# KiCad board SparkFun_Pro_Mini-ESP32_panelized.kicad_pcb (continued)
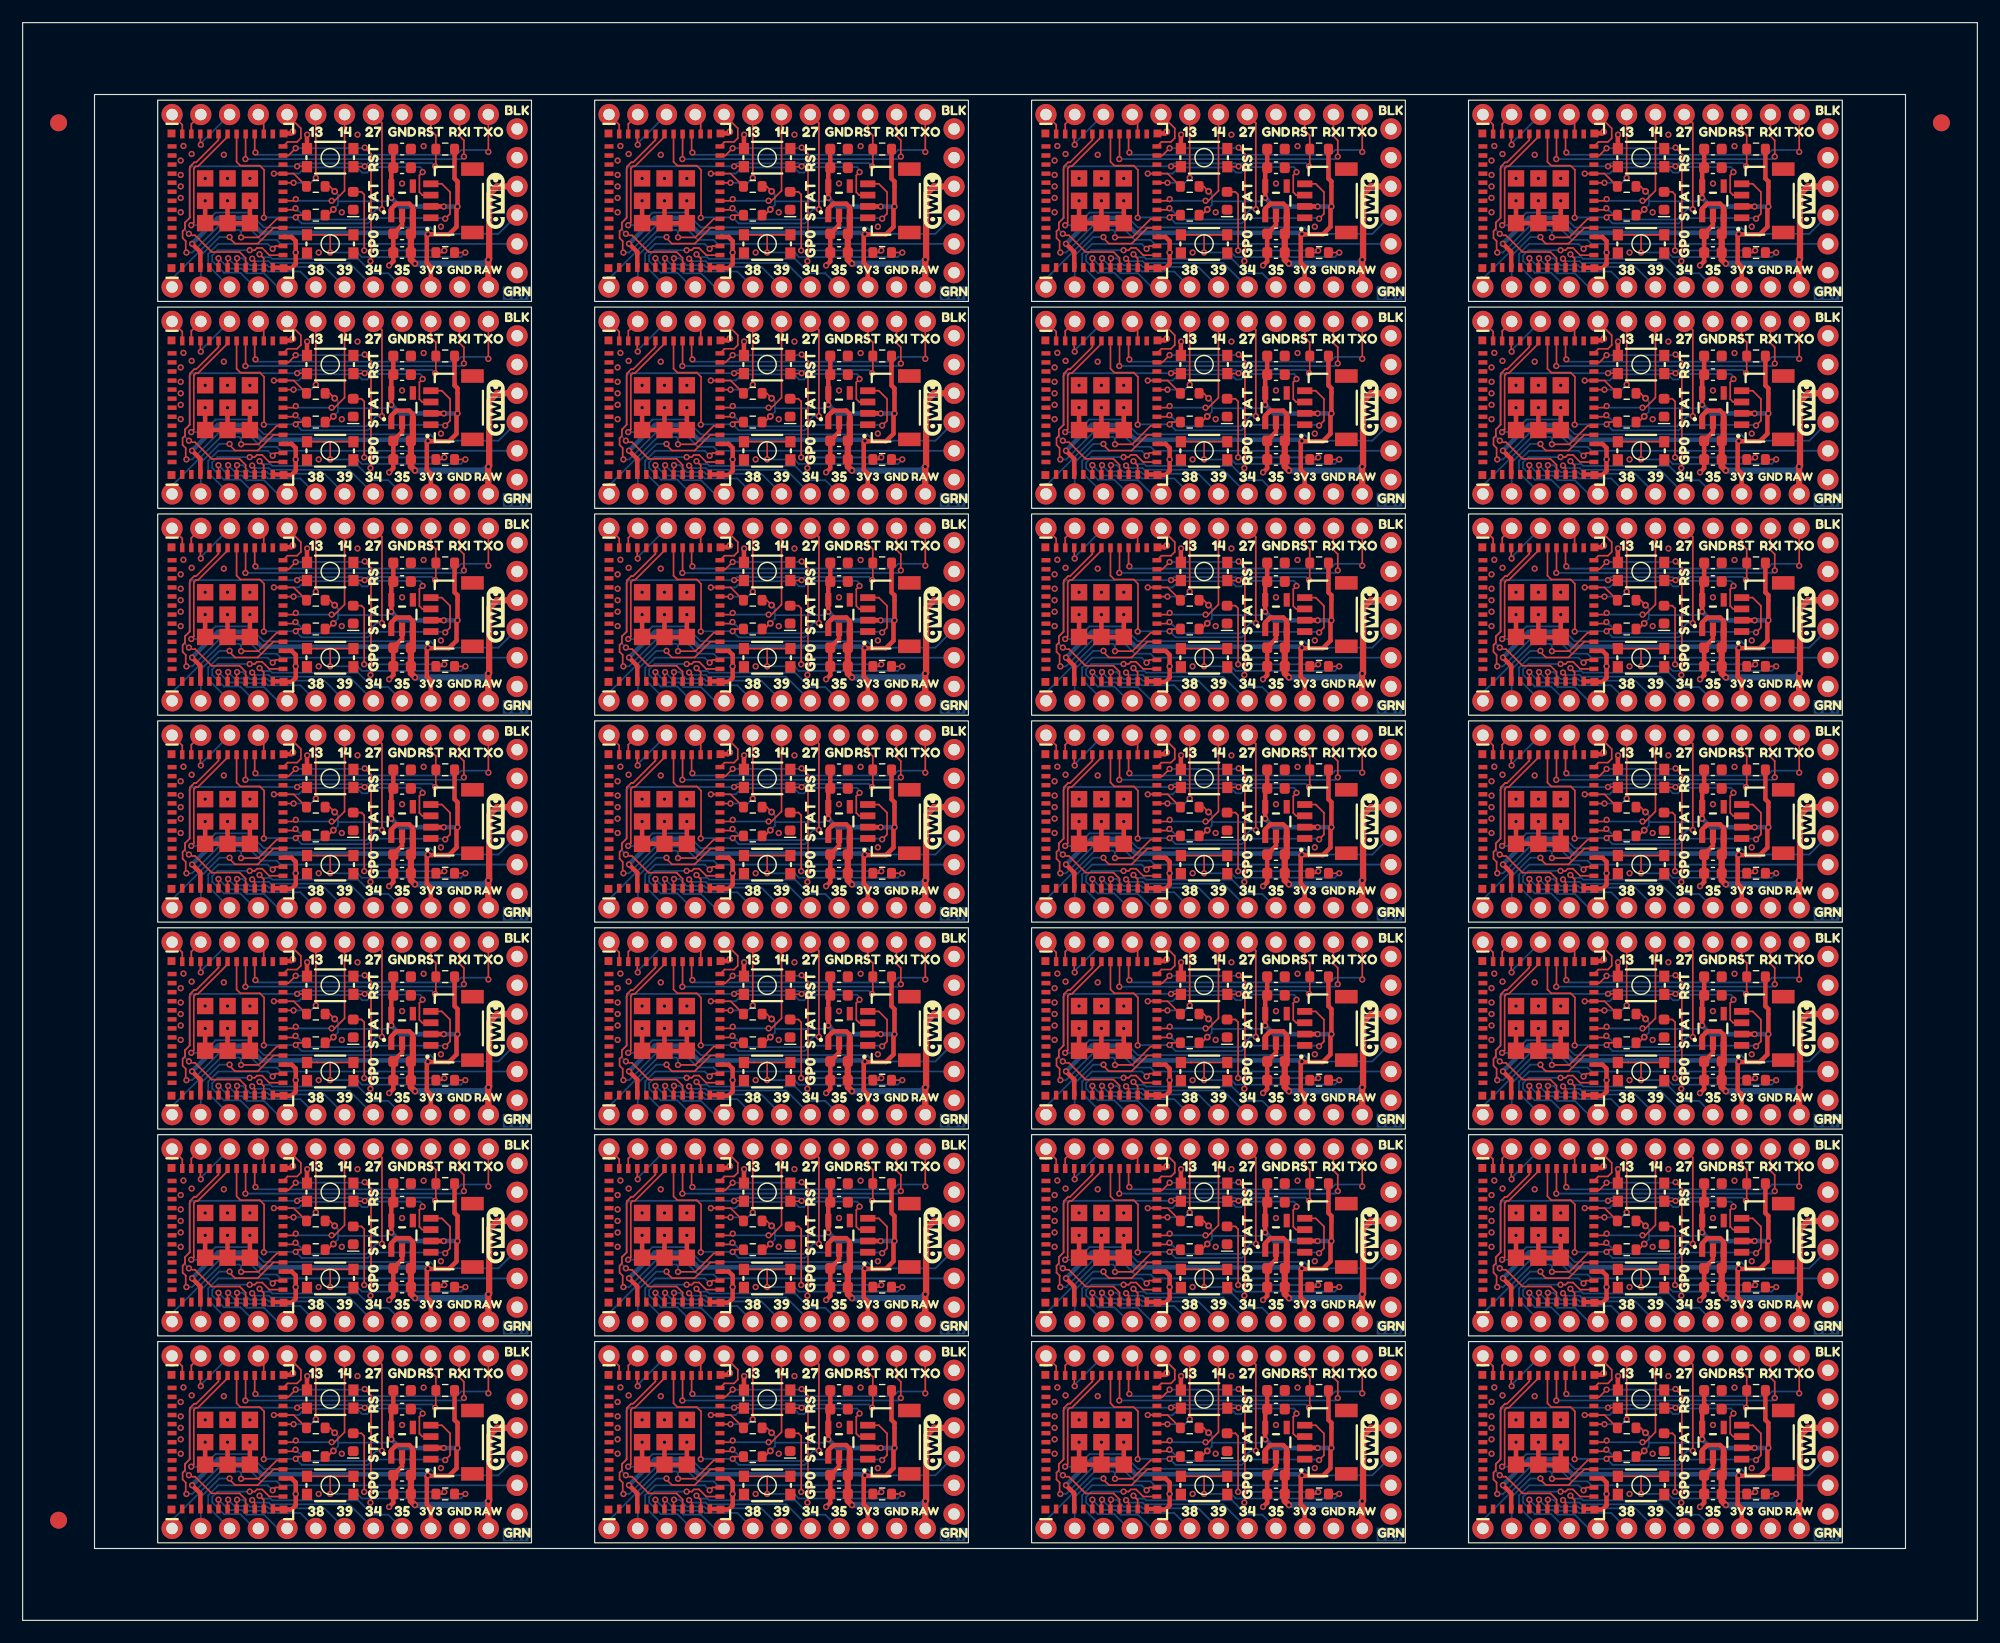
[diagram p0: board, top side]
## Placement (name value [footprint] x y rotation side) (continued)
kibuzzard-64DEDD67#20  G***  [kibuzzard-64DEDD67]  28.44 120.34 180 bottom
kibuzzard-64DEDD67#21  G***  [kibuzzard-64DEDD67]  105.64 28.94 180 bottom
kibuzzard-64DEDD67#22  G***  [kibuzzard-64DEDD67]  144.24 47.22 180 bottom
kibuzzard-64DEDD67#23  G***  [kibuzzard-64DEDD67]  67.04 28.94 180 bottom
kibuzzard-64DEDD67#24  G***  [kibuzzard-64DEDD67]  28.44 65.5 180 bottom
kibuzzard-64DEDD67#25  G***  [kibuzzard-64DEDD67]  144.24 28.94 180 bottom
kibuzzard-64DEDD67#26  G***  [kibuzzard-64DEDD67]  144.24 120.34 180 bottom
kibuzzard-64DEDD67#27  G***  [kibuzzard-64DEDD67]  67.04 83.78 180 bottom
kibuzzard-64DEDD67#28  G***  [kibuzzard-64DEDD67]  67.04 47.22 180 bottom
kibuzzard-64DEDE5E  G***  [kibuzzard-64DEDE5E]  67.04 87.84 180 bottom
kibuzzard-64DEDE5E#2  G***  [kibuzzard-64DEDE5E]  67.04 69.56 180 bottom
kibuzzard-64DEDE5E#3  G***  [kibuzzard-64DEDE5E]  105.64 124.4 180 bottom
kibuzzard-64DEDE5E#4  G***  [kibuzzard-64DEDE5E]  105.64 87.84 180 bottom
kibuzzard-64DEDE5E#5  G***  [kibuzzard-64DEDE5E]  144.24 124.4 180 bottom
kibuzzard-64DEDE5E#6  G***  [kibuzzard-64DEDE5E]  67.04 124.4 180 bottom
kibuzzard-64DEDE5E#7  G***  [kibuzzard-64DEDE5E]  67.04 33 180 bottom
kibuzzard-64DEDE5E#8  G***  [kibuzzard-64DEDE5E]  28.44 87.84 180 bottom
kibuzzard-64DEDE5E#9  G***  [kibuzzard-64DEDE5E]  105.64 14.72 180 bottom
kibuzzard-64DEDE5E#10  G***  [kibuzzard-64DEDE5E]  105.64 69.56 180 bottom
kibuzzard-64DEDE5E#11  G***  [kibuzzard-64DEDE5E]  105.64 33 180 bottom
kibuzzard-64DEDE5E#12  G***  [kibuzzard-64DEDE5E]  144.24 69.56 180 bottom
kibuzzard-64DEDE5E#13  G***  [kibuzzard-64DEDE5E]  105.64 51.28 180 bottom
kibuzzard-64DEDE5E#14  G***  [kibuzzard-64DEDE5E]  28.44 69.56 180 bottom
kibuzzard-64DEDE5E#15  G***  [kibuzzard-64DEDE5E]  144.24 106.12 180 bottom
kibuzzard-64DEDE5E#16  G***  [kibuzzard-64DEDE5E]  67.04 106.12 180 bottom
kibuzzard-64DEDE5E#17  G***  [kibuzzard-64DEDE5E]  144.24 14.72 180 bottom
kibuzzard-64DEDE5E#18  G***  [kibuzzard-64DEDE5E]  28.44 124.4 180 bottom
kibuzzard-64DEDE5E#19  G***  [kibuzzard-64DEDE5E]  144.24 33 180 bottom
kibuzzard-64DEDE5E#20  G***  [kibuzzard-64DEDE5E]  28.44 106.12 180 bottom
kibuzzard-64DEDE5E#21  G***  [kibuzzard-64DEDE5E]  67.04 51.28 180 bottom
kibuzzard-64DEDE5E#22  G***  [kibuzzard-64DEDE5E]  67.04 14.72 180 bottom
kibuzzard-64DEDE5E#23  G***  [kibuzzard-64DEDE5E]  144.24 51.28 180 bottom
kibuzzard-64DEDE5E#24  G***  [kibuzzard-64DEDE5E]  28.44 33 180 bottom
kibuzzard-64DEDE5E#25  G***  [kibuzzard-64DEDE5E]  105.64 106.12 180 bottom
kibuzzard-64DEDE5E#26  G***  [kibuzzard-64DEDE5E]  28.44 51.28 180 bottom
kibuzzard-64DEDE5E#27  G***  [kibuzzard-64DEDE5E]  28.44 14.72 180 bottom
kibuzzard-64DEDE5E#28  G***  [kibuzzard-64DEDE5E]  144.24 87.84 180 bottom
NOREF  -  [Fiducial_1.5mm_Mask3mm]  3.17 8.85 0 top
NOREF#2  -  [Fiducial_1.5mm_Mask3mm]  169.5 132.31 0 top
NOREF#3  -  [Fiducial_1.5mm_Mask3mm]  3.17 132.31 0 top
NOREF#4  -  [Fiducial_1.5mm_Mask3mm]  3.17 132.31 0 bottom
NOREF#5  -  [Fiducial_1.5mm_Mask3mm]  169.5 132.31 0 bottom
NOREF#6  -  [Fiducial_1.5mm_Mask3mm]  3.17 8.85 0 bottom
R1  10k  [R_0603_1608Metric]  153.13 111.71 180 top
R1#2  10k  [R_0603_1608Metric]  75.93 38.59 180 top
R1#3  10k  [R_0603_1608Metric]  37.33 56.87 180 top
R1#4  10k  [R_0603_1608Metric]  153.13 93.43 180 top
R1#5  10k  [R_0603_1608Metric]  114.53 111.71 180 top
R1#6  10k  [R_0603_1608Metric]  75.93 111.71 180 top
R1#7  10k  [R_0603_1608Metric]  114.53 75.15 180 top
R1#8  10k  [R_0603_1608Metric]  37.33 129.99 180 top
R1#9  10k  [R_0603_1608Metric]  153.13 56.87 180 top
R1#10  10k  [R_0603_1608Metric]  75.93 20.31 180 top
R1#11  10k  [R_0603_1608Metric]  75.93 56.87 180 top
R1#12  10k  [R_0603_1608Metric]  153.13 38.59 180 top
R1#13  10k  [R_0603_1608Metric]  37.33 20.31 180 top
R1#14  10k  [R_0603_1608Metric]  153.13 20.31 180 top
R1#15  10k  [R_0603_1608Metric]  37.33 111.71 180 top
R1#16  10k  [R_0603_1608Metric]  114.53 93.43 180 top
R1#17  10k  [R_0603_1608Metric]  75.93 129.99 180 top
R1#18  10k  [R_0603_1608Metric]  153.13 129.99 180 top
R1#19  10k  [R_0603_1608Metric]  37.33 93.43 180 top
R1#20  10k  [R_0603_1608Metric]  153.13 75.15 180 top
R1#21  10k  [R_0603_1608Metric]  75.93 93.43 180 top
R1#22  10k  [R_0603_1608Metric]  75.93 75.15 180 top
R1#23  10k  [R_0603_1608Metric]  37.33 38.59 180 top
R1#24  10k  [R_0603_1608Metric]  37.33 75.15 180 top
R1#25  10k  [R_0603_1608Metric]  114.53 38.59 180 top
R1#26  10k  [R_0603_1608Metric]  114.53 56.87 180 top
R1#27  10k  [R_0603_1608Metric]  114.53 129.99 180 top
R1#28  10k  [R_0603_1608Metric]  114.53 20.31 180 top
R2  1k  [R_0603_1608Metric]  75.93 11.17 180 top
R2#2  1k  [R_0603_1608Metric]  37.33 29.45 180 top
R2#3  1k  [R_0603_1608Metric]  153.13 84.29 180 top
R2#4  1k  [R_0603_1608Metric]  37.33 11.17 180 top
R2#5  1k  [R_0603_1608Metric]  75.93 29.45 180 top
R2#6  1k  [R_0603_1608Metric]  114.53 66.01 180 top
R2#7  1k  [R_0603_1608Metric]  37.33 47.73 180 top
R2#8  1k  [R_0603_1608Metric]  114.53 47.73 180 top
R2#9  1k  [R_0603_1608Metric]  75.93 47.73 180 top
R2#10  1k  [R_0603_1608Metric]  75.93 120.85 180 top
R2#11  1k  [R_0603_1608Metric]  114.53 102.57 180 top
R2#12  1k  [R_0603_1608Metric]  37.33 120.85 180 top
R2#13  1k  [R_0603_1608Metric]  153.13 102.57 180 top
R2#14  1k  [R_0603_1608Metric]  153.13 120.85 180 top
R2#15  1k  [R_0603_1608Metric]  114.53 120.85 180 top
R2#16  1k  [R_0603_1608Metric]  153.13 66.01 180 top
R2#17  1k  [R_0603_1608Metric]  75.93 84.29 180 top
R2#18  1k  [R_0603_1608Metric]  37.33 102.57 180 top
R2#19  1k  [R_0603_1608Metric]  75.93 102.57 180 top
R2#20  1k  [R_0603_1608Metric]  153.13 47.73 180 top
R2#21  1k  [R_0603_1608Metric]  114.53 11.17 180 top
R2#22  1k  [R_0603_1608Metric]  114.53 29.45 180 top
R2#23  1k  [R_0603_1608Metric]  114.53 84.29 180 top
R2#24  1k  [R_0603_1608Metric]  37.33 84.29 180 top
R2#25  1k  [R_0603_1608Metric]  75.93 66.01 180 top
R2#26  1k  [R_0603_1608Metric]  153.13 11.17 180 top
R2#27  1k  [R_0603_1608Metric]  153.13 29.45 180 top
R2#28  1k  [R_0603_1608Metric]  37.33 66.01 180 top
R3  2.2k  [R_0603_1608Metric]  141.7 51.03 180 top
R3#2  2.2k  [R_0603_1608Metric]  25.9 124.15 180 top
R3#3  2.2k  [R_0603_1608Metric]  25.9 51.03 180 top
R3#4  2.2k  [R_0603_1608Metric]  141.7 14.47 180 top
R3#5  2.2k  [R_0603_1608Metric]  103.1 105.87 180 top
R3#6  2.2k  [R_0603_1608Metric]  64.5 87.59 180 top
R3#7  2.2k  [R_0603_1608Metric]  25.9 14.47 180 top
R3#8  2.2k  [R_0603_1608Metric]  64.5 124.15 180 top
R3#9  2.2k  [R_0603_1608Metric]  64.5 14.47 180 top
R3#10  2.2k  [R_0603_1608Metric]  64.5 69.31 180 top
R3#11  2.2k  [R_0603_1608Metric]  103.1 87.59 180 top
R3#12  2.2k  [R_0603_1608Metric]  25.9 105.87 180 top
R3#13  2.2k  [R_0603_1608Metric]  64.5 51.03 180 top
R3#14  2.2k  [R_0603_1608Metric]  103.1 51.03 180 top
R3#15  2.2k  [R_0603_1608Metric]  103.1 124.15 180 top
R3#16  2.2k  [R_0603_1608Metric]  64.5 32.75 180 top
R3#17  2.2k  [R_0603_1608Metric]  25.9 32.75 180 top
R3#18  2.2k  [R_0603_1608Metric]  141.7 124.15 180 top
R3#19  2.2k  [R_0603_1608Metric]  141.7 105.87 180 top
R3#20  2.2k  [R_0603_1608Metric]  103.1 69.31 180 top
R3#21  2.2k  [R_0603_1608Metric]  103.1 14.47 180 top
R3#22  2.2k  [R_0603_1608Metric]  141.7 32.75 180 top
R3#23  2.2k  [R_0603_1608Metric]  141.7 69.31 180 top
R3#24  2.2k  [R_0603_1608Metric]  25.9 87.59 180 top
R3#25  2.2k  [R_0603_1608Metric]  141.7 87.59 180 top
R3#26  2.2k  [R_0603_1608Metric]  103.1 32.75 180 top
R3#27  2.2k  [R_0603_1608Metric]  25.9 69.31 180 top
R3#28  2.2k  [R_0603_1608Metric]  64.5 105.87 180 top
R4  2.2k  [R_0603_1608Metric]  141.7 90.13 180 top
R4#2  2.2k  [R_0603_1608Metric]  25.9 126.69 180 top
R4#3  2.2k  [R_0603_1608Metric]  103.1 17.01 180 top
R4#4  2.2k  [R_0603_1608Metric]  141.7 108.41 180 top
R4#5  2.2k  [R_0603_1608Metric]  103.1 35.29 180 top
R4#6  2.2k  [R_0603_1608Metric]  141.7 126.69 180 top
R4#7  2.2k  [R_0603_1608Metric]  141.7 53.57 180 top
R4#8  2.2k  [R_0603_1608Metric]  64.5 17.01 180 top
R4#9  2.2k  [R_0603_1608Metric]  103.1 126.69 180 top
R4#10  2.2k  [R_0603_1608Metric]  25.9 90.13 180 top
R4#11  2.2k  [R_0603_1608Metric]  64.5 108.41 180 top
R4#12  2.2k  [R_0603_1608Metric]  141.7 35.29 180 top
R4#13  2.2k  [R_0603_1608Metric]  25.9 35.29 180 top
R4#14  2.2k  [R_0603_1608Metric]  25.9 108.41 180 top
R4#15  2.2k  [R_0603_1608Metric]  25.9 71.85 180 top
R4#16  2.2k  [R_0603_1608Metric]  141.7 71.85 180 top
R4#17  2.2k  [R_0603_1608Metric]  64.5 126.69 180 top
R4#18  2.2k  [R_0603_1608Metric]  25.9 53.57 180 top
R4#19  2.2k  [R_0603_1608Metric]  141.7 17.01 180 top
R4#20  2.2k  [R_0603_1608Metric]  64.5 90.13 180 top
R4#21  2.2k  [R_0603_1608Metric]  103.1 90.13 180 top
R4#22  2.2k  [R_0603_1608Metric]  103.1 53.57 180 top
R4#23  2.2k  [R_0603_1608Metric]  103.1 71.85 180 top
R4#24  2.2k  [R_0603_1608Metric]  64.5 53.57 180 top
R4#25  2.2k  [R_0603_1608Metric]  64.5 71.85 180 top
R4#26  2.2k  [R_0603_1608Metric]  25.9 17.01 180 top
R4#27  2.2k  [R_0603_1608Metric]  103.1 108.41 180 top
R4#28  2.2k  [R_0603_1608Metric]  64.5 35.29 180 top
Ref**  Val**  [OSHW_Logo_2.5mm]  91.67 102.95 180 bottom
Ref**#2  Val**  [OSHW_Logo_2.5mm]  130.27 84.67 180 bottom
Ref**#3  Val**  [OSHW_Logo_2.5mm]  91.67 29.83 180 bottom
Ref**#4  Val**  [OSHW_Logo_2.5mm]  14.47 102.95 180 bottom
Ref**#5  Val**  [OSHW_Logo_2.5mm]  14.47 121.23 180 bottom
Ref**#6  Val**  [OSHW_Logo_2.5mm]  130.27 29.83 180 bottom
Ref**#7  Val**  [OSHW_Logo_2.5mm]  14.47 11.55 180 bottom
Ref**#8  Val**  [OSHW_Logo_2.5mm]  130.27 48.11 180 bottom
Ref**#9  Val**  [OSHW_Logo_2.5mm]  130.27 11.55 180 bottom
Ref**#10  Val**  [OSHW_Logo_2.5mm]  53.07 121.23 180 bottom
Ref**#11  Val**  [OSHW_Logo_2.5mm]  14.47 29.83 180 bottom
Ref**#12  Val**  [OSHW_Logo_2.5mm]  14.47 84.67 180 bottom
Ref**#13  Val**  [OSHW_Logo_2.5mm]  91.67 66.39 180 bottom
Ref**#14  Val**  [OSHW_Logo_2.5mm]  130.27 121.23 180 bottom
Ref**#15  Val**  [OSHW_Logo_2.5mm]  53.07 11.55 180 bottom
Ref**#16  Val**  [OSHW_Logo_2.5mm]  91.67 121.23 180 bottom
Ref**#17  Val**  [OSHW_Logo_2.5mm]  91.67 48.11 180 bottom
Ref**#18  Val**  [OSHW_Logo_2.5mm]  53.07 48.11 180 bottom
Ref**#19  Val**  [OSHW_Logo_2.5mm]  14.47 48.11 180 bottom
Ref**#20  Val**  [OSHW_Logo_2.5mm]  53.07 29.83 180 bottom
Ref**#21  Val**  [OSHW_Logo_2.5mm]  130.27 66.39 180 bottom
Ref**#22  Val**  [OSHW_Logo_2.5mm]  53.07 84.67 180 bottom
Ref**#23  Val**  [OSHW_Logo_2.5mm]  91.67 84.67 180 bottom
Ref**#24  Val**  [OSHW_Logo_2.5mm]  91.67 11.55 180 bottom
Ref**#25  Val**  [OSHW_Logo_2.5mm]  130.27 102.95 180 bottom
Ref**#26  Val**  [OSHW_Logo_2.5mm]  53.07 66.39 180 bottom
Ref**#27  Val**  [OSHW_Logo_2.5mm]  14.47 66.39 180 bottom
Ref**#28  Val**  [OSHW_Logo_2.5mm]  53.07 102.95 180 bottom
SW1  Reset  [Momentary_SMD_4.6x2.8mm]  142.97 129.23 180 top
SW1#2  Reset  [Momentary_SMD_4.6x2.8mm]  104.37 37.83 180 top
SW1#3  Reset  [Momentary_SMD_4.6x2.8mm]  27.17 129.23 180 top
SW1#4  Reset  [Momentary_SMD_4.6x2.8mm]  27.17 74.39 180 top
SW1#5  Reset  [Momentary_SMD_4.6x2.8mm]  65.77 110.95 180 top
SW1#6  Reset  [Momentary_SMD_4.6x2.8mm]  142.97 19.55 180 top
SW1#7  Reset  [Momentary_SMD_4.6x2.8mm]  27.17 110.95 180 top
SW1#8  Reset  [Momentary_SMD_4.6x2.8mm]  104.37 19.55 180 top
SW1#9  Reset  [Momentary_SMD_4.6x2.8mm]  27.17 37.83 180 top
SW1#10  Reset  [Momentary_SMD_4.6x2.8mm]  142.97 74.39 180 top
SW1#11  Reset  [Momentary_SMD_4.6x2.8mm]  27.17 92.67 180 top
SW1#12  Reset  [Momentary_SMD_4.6x2.8mm]  65.77 19.55 180 top
SW1#13  Reset  [Momentary_SMD_4.6x2.8mm]  65.77 56.11 180 top
SW1#14  Reset  [Momentary_SMD_4.6x2.8mm]  142.97 37.83 180 top
SW1#15  Reset  [Momentary_SMD_4.6x2.8mm]  104.37 74.39 180 top
SW1#16  Reset  [Momentary_SMD_4.6x2.8mm]  142.97 92.67 180 top
SW1#17  Reset  [Momentary_SMD_4.6x2.8mm]  65.77 37.83 180 top
SW1#18  Reset  [Momentary_SMD_4.6x2.8mm]  65.77 92.67 180 top
SW1#19  Reset  [Momentary_SMD_4.6x2.8mm]  65.77 74.39 180 top
SW1#20  Reset  [Momentary_SMD_4.6x2.8mm]  104.37 110.95 180 top
SW1#21  Reset  [Momentary_SMD_4.6x2.8mm]  104.37 56.11 180 top
SW1#22  Reset  [Momentary_SMD_4.6x2.8mm]  142.97 56.11 180 top
SW1#23  Reset  [Momentary_SMD_4.6x2.8mm]  27.17 56.11 180 top
SW1#24  Reset  [Momentary_SMD_4.6x2.8mm]  104.37 92.67 180 top
SW1#25  Reset  [Momentary_SMD_4.6x2.8mm]  27.17 19.55 180 top
SW1#26  Reset  [Momentary_SMD_4.6x2.8mm]  142.97 110.95 180 top
SW1#27  Reset  [Momentary_SMD_4.6x2.8mm]  104.37 129.23 180 top
SW1#28  Reset  [Momentary_SMD_4.6x2.8mm]  65.77 129.23 180 top
SW2  Boot  [Momentary_SMD_4.6x2.8mm]  65.77 85.05 0 top
SW2#2  Boot  [Momentary_SMD_4.6x2.8mm]  27.17 48.49 0 top
SW2#3  Boot  [Momentary_SMD_4.6x2.8mm]  142.97 48.49 0 top
SW2#4  Boot  [Momentary_SMD_4.6x2.8mm]  104.37 85.05 0 top
SW2#5  Boot  [Momentary_SMD_4.6x2.8mm]  27.17 103.33 0 top
SW2#6  Boot  [Momentary_SMD_4.6x2.8mm]  142.97 103.33 0 top
SW2#7  Boot  [Momentary_SMD_4.6x2.8mm]  104.37 66.77 0 top
SW2#8  Boot  [Momentary_SMD_4.6x2.8mm]  104.37 30.21 0 top
SW2#9  Boot  [Momentary_SMD_4.6x2.8mm]  65.77 30.21 0 top
SW2#10  Boot  [Momentary_SMD_4.6x2.8mm]  142.97 85.05 0 top
SW2#11  Boot  [Momentary_SMD_4.6x2.8mm]  104.37 121.61 0 top
SW2#12  Boot  [Momentary_SMD_4.6x2.8mm]  27.17 85.05 0 top
SW2#13  Boot  [Momentary_SMD_4.6x2.8mm]  27.17 121.61 0 top
SW2#14  Boot  [Momentary_SMD_4.6x2.8mm]  65.77 66.77 0 top
SW2#15  Boot  [Momentary_SMD_4.6x2.8mm]  27.17 11.93 0 top
SW2#16  Boot  [Momentary_SMD_4.6x2.8mm]  142.97 30.21 0 top
SW2#17  Boot  [Momentary_SMD_4.6x2.8mm]  104.37 103.33 0 top
SW2#18  Boot  [Momentary_SMD_4.6x2.8mm]  65.77 48.49 0 top
SW2#19  Boot  [Momentary_SMD_4.6x2.8mm]  65.77 121.61 0 top
SW2#20  Boot  [Momentary_SMD_4.6x2.8mm]  104.37 11.93 0 top
SW2#21  Boot  [Momentary_SMD_4.6x2.8mm]  65.77 11.93 0 top
SW2#22  Boot  [Momentary_SMD_4.6x2.8mm]  65.77 103.33 0 top
SW2#23  Boot  [Momentary_SMD_4.6x2.8mm]  142.97 121.61 0 top
SW2#24  Boot  [Momentary_SMD_4.6x2.8mm]  142.97 66.77 0 top
SW2#25  Boot  [Momentary_SMD_4.6x2.8mm]  142.97 11.93 0 top
SW2#26  Boot  [Momentary_SMD_4.6x2.8mm]  104.37 48.49 0 top
SW2#27  Boot  [Momentary_SMD_4.6x2.8mm]  27.17 66.77 0 top
SW2#28  Boot  [Momentary_SMD_4.6x2.8mm]  27.17 30.21 0 top
U1  ESP32-PICO-V3-02  [ESP32-MINI]  18.1 15.74 90 top
U1#2  ESP32-PICO-V3-02  [ESP32-MINI]  18.1 34.02 90 top
U1#3  ESP32-PICO-V3-02  [ESP32-MINI]  133.9 88.86 90 top
U1#4  ESP32-PICO-V3-02  [ESP32-MINI]  56.7 15.74 90 top
U1#5  ESP32-PICO-V3-02  [ESP32-MINI]  95.3 52.3 90 top
U1#6  ESP32-PICO-V3-02  [ESP32-MINI]  18.1 107.14 90 top
U1#7  ESP32-PICO-V3-02  [ESP32-MINI]  133.9 52.3 90 top
U1#8  ESP32-PICO-V3-02  [ESP32-MINI]  95.3 34.02 90 top
U1#9  ESP32-PICO-V3-02  [ESP32-MINI]  133.9 125.42 90 top
U1#10  ESP32-PICO-V3-02  [ESP32-MINI]  95.3 70.58 90 top
U1#11  ESP32-PICO-V3-02  [ESP32-MINI]  95.3 107.14 90 top
U1#12  ESP32-PICO-V3-02  [ESP32-MINI]  133.9 70.58 90 top
U1#13  ESP32-PICO-V3-02  [ESP32-MINI]  95.3 88.86 90 top
U1#14  ESP32-PICO-V3-02  [ESP32-MINI]  95.3 125.42 90 top
U1#15  ESP32-PICO-V3-02  [ESP32-MINI]  56.7 70.58 90 top
U1#16  ESP32-PICO-V3-02  [ESP32-MINI]  56.7 88.86 90 top
U1#17  ESP32-PICO-V3-02  [ESP32-MINI]  56.7 34.02 90 top
U1#18  ESP32-PICO-V3-02  [ESP32-MINI]  18.1 125.42 90 top
U1#19  ESP32-PICO-V3-02  [ESP32-MINI]  133.9 107.14 90 top
U1#20  ESP32-PICO-V3-02  [ESP32-MINI]  56.7 52.3 90 top
U1#21  ESP32-PICO-V3-02  [ESP32-MINI]  56.7 107.14 90 top
U1#22  ESP32-PICO-V3-02  [ESP32-MINI]  95.3 15.74 90 top
U1#23  ESP32-PICO-V3-02  [ESP32-MINI]  56.7 125.42 90 top
U1#24  ESP32-PICO-V3-02  [ESP32-MINI]  18.1 70.58 90 top
U1#25  ESP32-PICO-V3-02  [ESP32-MINI]  18.1 88.86 90 top
U1#26  ESP32-PICO-V3-02  [ESP32-MINI]  133.9 15.74 90 top
U1#27  ESP32-PICO-V3-02  [ESP32-MINI]  133.9 34.02 90 top
U1#28  ESP32-PICO-V3-02  [ESP32-MINI]  18.1 52.3 90 top
U2  AP2112K-3.3  [SOT23-5]  110.72 88.86 90 top
U2#2  AP2112K-3.3  [SOT23-5]  72.12 15.74 90 top
U2#3  AP2112K-3.3  [SOT23-5]  72.12 107.14 90 top
U2#4  AP2112K-3.3  [SOT23-5]  110.72 34.02 90 top
U2#5  AP2112K-3.3  [SOT23-5]  33.52 70.58 90 top
U2#6  AP2112K-3.3  [SOT23-5]  72.12 125.42 90 top
U2#7  AP2112K-3.3  [SOT23-5]  149.32 52.3 90 top
U2#8  AP2112K-3.3  [SOT23-5]  149.32 15.74 90 top
U2#9  AP2112K-3.3  [SOT23-5]  149.32 70.58 90 top
U2#10  AP2112K-3.3  [SOT23-5]  33.52 15.74 90 top
U2#11  AP2112K-3.3  [SOT23-5]  149.32 107.14 90 top
U2#12  AP2112K-3.3  [SOT23-5]  72.12 70.58 90 top
U2#13  AP2112K-3.3  [SOT23-5]  33.52 125.42 90 top
U2#14  AP2112K-3.3  [SOT23-5]  33.52 107.14 90 top
U2#15  AP2112K-3.3  [SOT23-5]  110.72 70.58 90 top
U2#16  AP2112K-3.3  [SOT23-5]  33.52 34.02 90 top
U2#17  AP2112K-3.3  [SOT23-5]  110.72 125.42 90 top
U2#18  AP2112K-3.3  [SOT23-5]  110.72 52.3 90 top
U2#19  AP2112K-3.3  [SOT23-5]  110.72 15.74 90 top
U2#20  AP2112K-3.3  [SOT23-5]  110.72 107.14 90 top
U2#21  AP2112K-3.3  [SOT23-5]  72.12 52.3 90 top
U2#22  AP2112K-3.3  [SOT23-5]  149.32 125.42 90 top
U2#23  AP2112K-3.3  [SOT23-5]  33.52 52.3 90 top
U2#24  AP2112K-3.3  [SOT23-5]  72.12 88.86 90 top
U2#25  AP2112K-3.3  [SOT23-5]  33.52 88.86 90 top
U2#26  AP2112K-3.3  [SOT23-5]  72.12 34.02 90 top
U2#27  AP2112K-3.3  [SOT23-5]  149.32 88.86 90 top
U2#28  AP2112K-3.3  [SOT23-5]  149.32 34.02 90 top
U3  ~  [Ordering_Instructions]  188.76 57.58 0 top

## Library data of the parts
C1 C1#2-C1#28 C6 C6#2-C6#28 = -: Description: Unpolarized capacitor; PROD_ID: CAP-11015; Tolerance: 20%; Voltage: 6.3V
C2 C2#2-C2#28 C5 C5#2-C5#28 = -: Description: Unpolarized capacitor; PROD_ID: CAP-13930; Tolerance: 10%; Voltage: 16V
D1 D1#2-D1#28 = -: Description: Light emitting diode; PROD_ID: DIO-00819
J1 J1#2-J1#28 = -: Description: Generic connector, single row, 01x06, script generated (kicad-library-utils/schlib/autogen/connector/)
J2 J2#2-J2#28 J3 J3#2-J3#28 = -: Description: Generic connector, single row, 01x12, script generated (kicad-library-utils/schlib/autogen/connector/)
J4 J4#2-J4#28 = -: Description: 4 pin JST 1mm polarized connector for I2C; PROD_ID: CONN-13694
R1 R1#2-R1#28 = -: Description: Resistor; PROD_ID: RES-00824
R2 R2#2-R2#28 = -: Description: Resistor; PROD_ID: RES-07856
R3 R3#2-R3#28 R4 R4#2-R4#28 = -: Description: Resistor; PROD_ID: RES-08272
SW1 SW1#2-SW1#28 SW2 SW2#2-SW2#28 = -: Description: Single Pole Single Throw (SPST) switch; PROD_ID: SWCH-15606
U1 U1#2-U1#28 = -: PROD_ID: IC-19692
U2 U2#2-U2#28 = -: Description: 600mA low dropout linear regulator, with enable pin, 3.8V-6V input voltage range, 3.3V fixed positive output, SOT-23-5; PROD_ID: VREG-12457

## Footprints (pads in the part's own frame, mm; a bottom-side part is the same pattern mirrored in y, then rotated)
1X06
  round 1.88 hole 1.016: 1(0,0) 2(2.54,0) 3(5.08,0) 4(7.62,0) 5(10.16,0) 6(12.7,0)
1X12
  round 1.88 hole 1.016: 1(0,0) 2(2.54,0) 3(5.08,0) 4(7.62,0) 5(10.16,0) 6(12.7,0) 7(15.24,0) 8(17.78,0) 9(20.32,0) 10(22.86,0) 11(25.4,0) 12(27.94,0)
C_0603_1608Metric
  rrect 0.9x0.95 smd: 1(-0.775,0) 2(0.775,0)
ESP32-MINI
  rect 0.8x0.4 smd: 1(-5.9,4) 2(-5.9,3.2) 3(-5.9,2.4) 4(-5.9,1.6) 5(-5.9,0.8) 6(-5.9,0) 7(-5.9,-0.8) 8(-5.9,-1.6) 9(-5.9,-2.4) 10(-5.9,-3.2) 11(-5.9,-4) 25(5.9,-4) 26(5.9,-3.2) 27(5.9,-2.4) 28(5.9,-1.6) 29(5.9,-0.8) 30(5.9,0) 31(5.9,0.8) 32(5.9,1.6) 33(5.9,2.4) 34(5.9,3.2) 35(5.9,4)
  rect 0.4x0.8 smd: 12(-4.8,-4.9) 13(-4,-4.9) 14(-3.2,-4.9) 15(-2.4,-4.9) 16(-1.6,-4.9) 17(-0.8,-4.9) 18(0,-4.9) 19(0.8,-4.9) 20(1.6,-4.9) 21(2.4,-4.9) 22(3.2,-4.9) 23(4,-4.9) 24(4.8,-4.9) 36(4.8,4.9) 37(4,4.9) 38(3.2,4.9) 39(2.4,4.9) 40(1.6,4.9) 41(0.8,4.9) 42(0,4.9) 43(-0.8,4.9) 44(-1.6,4.9) 45(-2.4,4.9) 46(-3.2,4.9) 47(-4,4.9) 48(-4.8,4.9)
  rect 1.45x1.45 smd: 49.1(-1.975,1.975) 49.2(-1.975,0) 49.3(-1.975,-1.975) 49.4(0,-1.975) 49.5(1.975,-1.975) 49.6(1.975,0) 49.7(1.975,1.975) 49.8(0,1.975) 49.9(0,0)
  rect 0.7x0.7 smd: 50(5.95,4.95) 51(5.95,-4.95) 52(-5.95,-4.95) 53(-5.95,4.95)
Fiducial_1.5mm_Mask3mm
  round 1.5 smd: (0,0)
JST04_1MM_RA
  rect 0.6x1.35 smd: 1(-1.5,0) 2(-0.5,0) 3(0.5,0) 4(1.5,0)
  rect 1.2x2 smd: NC1(2.8,-3.675) NC2(-2.8,-3.675)
LED_0603_1608Metric
  rrect 0.875x0.95 smd: 1(-0.787,0) 2(0.787,0)
Momentary_SMD_4.6x2.8mm
  rect 0.9x1 smd: 1(-2.05,0.8) 1(2.05,0.8) 2(-2.05,-0.8) 2(2.05,-0.8)
R_0603_1608Metric
  rrect 0.8x0.95 smd: 1(-0.825,0) 2(0.825,0)
SOT23-5
  rect 1.2x0.55 smd: 1(-1.3,0.95) 2(-1.3,0) 3(-1.3,-0.95) 4(1.3,-0.95) 5(1.3,0.95)

## Nets
+3.3V: C5.1 C5#2.1 C5#3.1 C5#4.1 C5#5.1 C5#6.1 C5#7.1 C5#8.1 C5#9.1 C5#10.1 C5#11.1 C5#12.1 C5#13.1 C5#14.1 C5#15.1 C5#16.1 C5#17.1 C5#18.1 C5#19.1 C5#20.1 C5#21.1 C5#22.1 C5#23.1 C5#24.1 C5#25.1 C5#26.1 C5#27.1 C5#28.1 C6.1 C6#2.1 C6#3.1 C6#4.1 C6#5.1 C6#6.1 C6#7.1 C6#8.1 C6#9.1 C6#10.1 C6#11.1 C6#12.1 C6#13.1 C6#14.1 C6#15.1 C6#16.1 C6#17.1 C6#18.1 C6#19.1 C6#20.1 C6#21.1 C6#22.1 C6#23.1 C6#24.1 C6#25.1 C6#26.1 C6#27.1 C6#28.1 J2.10 J2#2.10 J2#3.10 J2#4.10 J2#5.10 J2#6.10 J2#7.10 J2#8.10 J2#9.10 J2#10.10 J2#11.10 J2#12.10 J2#13.10 J2#14.10 J2#15.10 J2#16.10 J2#17.10 J2#18.10 J2#19.10 J2#20.10 J2#21.10 J2#22.10 J2#23.10 J2#24.10 J2#25.10 J2#26.10 J2#27.10 J2#28.10 J4.2 J4#2.2 J4#3.2 J4#4.2 J4#5.2 J4#6.2 J4#7.2 J4#8.2 J4#9.2 J4#10.2 J4#11.2 J4#12.2 J4#13.2 J4#14.2 J4#15.2 J4#16.2 J4#17.2 J4#18.2 J4#19.2 J4#20.2 J4#21.2 J4#22.2 J4#23.2 J4#24.2 J4#25.2 J4#26.2 J4#27.2 J4#28.2 R1.1 R1#2.1 R1#3.1 R1#4.1 R1#5.1 R1#6.1 R1#7.1 R1#8.1 R1#9.1 R1#10.1 R1#11.1 R1#12.1 R1#13.1 R1#14.1 R1#15.1 R1#16.1 R1#17.1 R1#18.1 R1#19.1 R1#20.1 R1#21.1 R1#22.1 R1#23.1 R1#24.1 R1#25.1 R1#26.1 R1#27.1 R1#28.1 R3.1 R3#2.1 R3#3.1 R3#4.1 R3#5.1 R3#6.1 R3#7.1 R3#8.1 R3#9.1 R3#10.1 R3#11.1 R3#12.1 R3#13.1 R3#14.1 R3#15.1 R3#16.1 R3#17.1 R3#18.1 R3#19.1 R3#20.1 R3#21.1 R3#22.1 R3#23.1 R3#24.1 R3#25.1 R3#26.1 R3#27.1 R3#28.1 R4.1 R4#2.1 R4#3.1 R4#4.1 R4#5.1 R4#6.1 R4#7.1 R4#8.1 R4#9.1 R4#10.1 R4#11.1 R4#12.1 R4#13.1 R4#14.1 R4#15.1 R4#16.1 R4#17.1 R4#18.1 R4#19.1 R4#20.1 R4#21.1 R4#22.1 R4#23.1 R4#24.1 R4#25.1 R4#26.1 R4#27.1 R4#28.1 U1.3 U1#2.3 U1#3.3 U1#4.3 U1#5.3 U1#6.3 U1#7.3 U1#8.3 U1#9.3 U1#10.3 U1#11.3 U1#12.3 U1#13.3 U1#14.3 U1#15.3 U1#16.3 U1#17.3 U1#18.3 U1#19.3 U1#20.3 U1#21.3 U1#22.3 U1#23.3 U1#24.3 U1#25.3 U1#26.3 U1#27.3 U1#28.3 U2.5 U2#2.5 U2#3.5 U2#4.5 U2#5.5 U2#6.5 U2#7.5 U2#8.5 U2#9.5 U2#10.5 U2#11.5 U2#12.5 U2#13.5 U2#14.5 U2#15.5 U2#16.5 U2#17.5 U2#18.5 U2#19.5 U2#20.5 U2#21.5 U2#22.5 U2#23.5 U2#24.5 U2#25.5 U2#26.5 U2#27.5 U2#28.5
